# Altium PCB SONDE_2.PcbDoc (part 1 of 10) (continued)
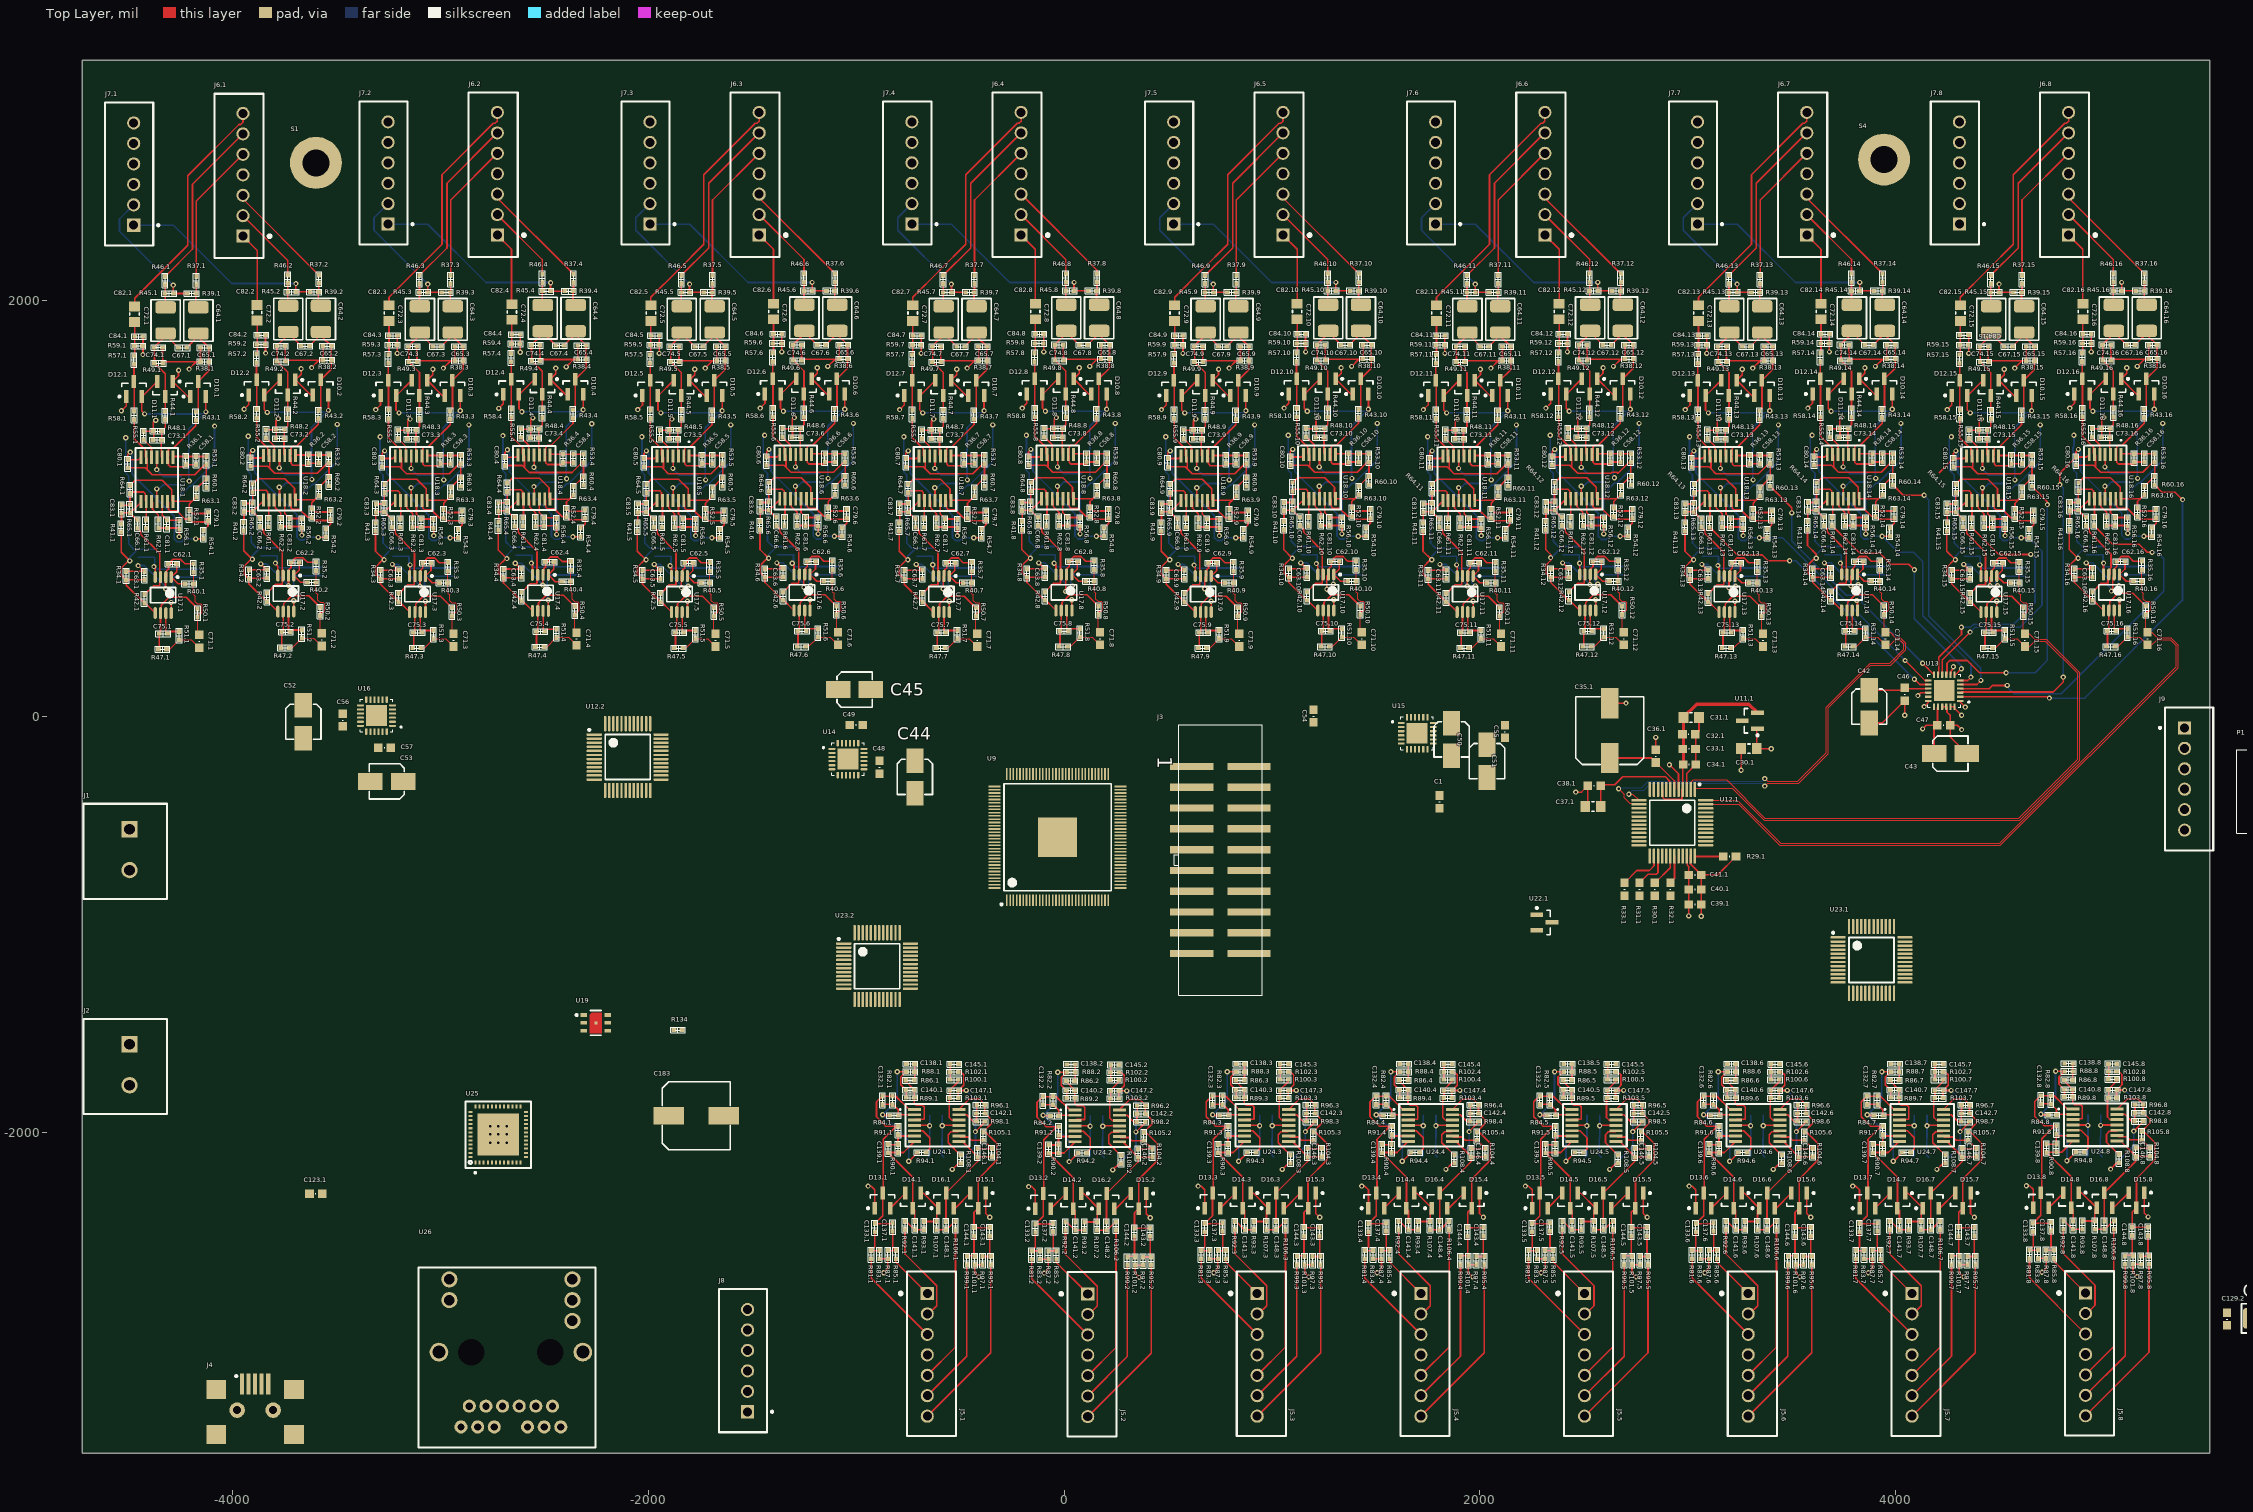
[diagram p0: Top Layer view]
## Design rules (kind name [scope] priority, off if disabled: settings) (continued)
RoomDefinition U_InputsConnectors4 [InComponentClass('U_InputsConnectors4')] p41: confinementstyle=ConfineIn formatcopy=TRUE lockcomponents=FALSE outline -17970.9,-7880.97 -15970.9,-7880.97 -15970.9,-6880.97 -17970.9,-6880.97
RoomDefinition U_InputsConnectors3 [InComponentClass('U_InputsConnectors3')] p42: confinementstyle=ConfineIn formatcopy=TRUE lockcomponents=FALSE outline -17970.9,-7880.97 -15970.9,-7880.97 -15970.9,-6880.97 -17970.9,-6880.97
RoomDefinition U_InputsConnectors2 [InComponentClass('U_InputsConnectors2')] p43: confinementstyle=ConfineIn formatcopy=TRUE lockcomponents=FALSE outline -17970.9,-7880.97 -15970.9,-7880.97 -15970.9,-6880.97 -17970.9,-6880.97
RoomDefinition U_InputsConnectors1 [InComponentClass('U_InputsConnectors1')] p44: confinementstyle=ConfineIn formatcopy=TRUE lockcomponents=FALSE outline -17970.9,-7880.97 -15970.9,-7880.97 -15970.9,-6880.97 -17970.9,-6880.97
RoomDefinition Power1 [InComponentClass('Power1')] p45: confinementstyle=ConfineIn formatcopy=TRUE lockcomponents=FALSE outline -5636.28,-7336.62 6779.72,-7336.62 6779.72,-6496.62 -5636.28,-6496.62
RoutingVias [All] p1: holewidth=12 width=25 viastyle="Through Hole" minholewidth=12 minwidth=25 maxholewidth=12 maxwidth=25
SolderMaskExpansion [All] p1: expansion=4
Width [All] p1: maxlimit=15.75 minlimit=8 preferedwidth=8 minimp=50.000000 maximp=50.000000 favimp=50.000000
27 further rules are at their usual default settings.

## Classes and differential pairs
component class "Components Class 1": C58.1 C59.1 C60.1 C61.1 C62.1 C63.1 C64.1 C65.1 C66.1 C67.1 C68.1 C69.1 C70.1 C71.1 C72.1 C73.1 C74.1 C75.1 C76.1 C77.1 C78.1 C79.1 C80.1 C81.1 C82.1 C83.1 C84.1 D10.1 D11.1 D12.1 R34.1 R35.1 R36.1 R37.1 R38.1 R39.1 R40.1 R41.1 R42.1 R43.1 R44.1 R45.1 R46.1 R47.1 R48.1 R49.1 R50.1 R51.1 R52.1 R53.1 R54.1 R55.1 R56.1 R57.1 R58.1 R59.1 R60.1 R61.1 R62.1 R63.1 R64.1 R65.1 U17.1 U18.1
component class U_InputAmplifier2: C58.2 C59.2 C60.2 C61.2 C62.2 C63.2 C64.2 C65.2 C66.2 C67.2 C68.2 C69.2 C70.2 C71.2 C72.2 C73.2 C74.2 C75.2 C76.2 C77.2 C78.2 C79.2 C80.2 C81.2 C82.2 C83.2 C84.2 D10.2 D11.2 D12.2 R34.2 R35.2 R36.2 R37.2 R38.2 R39.2 R40.2 R41.2 R42.2 R43.2 R44.2 R45.2 R46.2 R47.2 R48.2 R49.2 R50.2 R51.2 R52.2 R53.2 R54.2 R55.2 R56.2 R57.2 R58.2 R59.2 R60.2 R61.2 R62.2 R63.2 R64.2 R65.2 U17.2 U18.2
component class ADC1: C30.1 C31.1 C32.1 C33.1 C34.1 C35.1 C36.1 C37.1 C38.1 C39.1 C40.1 C41.1 R29.1 R30.1 R31.1 R32.1 R33.1 U11.1 U12.1
component class ADC2: C30.2 C31.2 C32.2 C33.2 C34.2 C35.2 C36.2 C37.2 C38.2 C39.2 C40.2 C41.2 R29.2 R30.2 R31.2 R32.2 R33.2 U11.2 U12.2
component class "AUDIO INPUTS": C42 C43 C44 C45 C46 C47 C48 C49 C50 C51 C52 C53 C54 C55 C56 C57 U13 U14 U15 U16
component class CLOCK: C1 C2 R1 R2 R3 U1 U2
component class DAC1: C121.1 C122.1 C123.1 C124.1 C125.1 C126.1 C127.1 C128.1 C129.1 C130.1 C131.1 R77.1 R78.1 R79.1 R80.1 U22.1 U23.1
component class DAC2: C121.2 C122.2 C123.2 C124.2 C125.2 C126.2 C127.2 C128.2 C129.2 C130.2 C131.2 R77.2 R78.2 R79.2 R80.2 U22.2 U23.2
component class LEDs_I2C_PORT: D19 D20 D21 D22 D23 D24 P1 Q2 Q3 Q4 R135 R136 R137 R138 R139 R140
component class PHY_ETHERNET: C149 C150 C151 C152 C153 C154 C155 C156 C157 C158 C159 C160 C161 C162 C163 C164 C165 C166 C167 C168 C169 C170 C171 C172 C173 C174 C175 D17 D18 L7 L8 L9 Q1 R109 R110 R111 R112 R113 R114 R115 R116 R117 R118 R119 R120 R121 R122 R123 R124 R125 R126 R127 R128 U25 U26 U27
component class Power1: C3 C4 C5 C6 C7 C8 C9 C10 C11 C12 C13 C14 C15 C16 C17 C18 C20 C21 C22 C25 C27 C28 C? D1 D2 D3 D4 D5 D6 D7 J1 J2 L1 L2 R4 R5 R6 R7 R8 R9 R10 R11 R12 R13 R14 R15 R16 R17 U3 U4 U5 U7 U8
component class TopLevel: FID1 FID2 FID3 FID4 FID5 FID6 R18 R19 S1 S2 S3 S4 TP1 TP2 TP3 TP4 TP5 TP6 TP7 TP8 TP9 TP10 TP11 TP12 TP13 TP14 TP15 TP16 TP17
component class U_InputAmplifier1: C58.1 C58.22 C59.1 C59.22 C59C58. C60.1 C60.22 C60C58. C61.1 C61.22 C61C58. C62.1 C62.22 C62C58. C63.1 C63.22 C63C58. C64.1 C64.22 C64C58. C65.1 C65.22 C65C58. C66.1 C66.22 C66C58. C67.1 C67.22 C67C58. C68.1 C68.22 C68C58. C69.1 C69.22 C69C58. C70.1 C70.22 C70C58. C71.1 C71.22 C71C58. C72.1 C72.22 C72C58. C73.1 C73.22 C73C58. C74.1 C74.22 C74C58. C75.1 C75.22 C75C58. C76.1 C76.22 C77.1 C77.22 C77C58. C78.1 C78.22 C78C58. C79.1 C80.1 C80.22 C80C58. C81.1 C81.22 C81C58. C82.1 C82C58. C83.1 C83C58. C84.1 C84C58. D10.1 D10.22 D10C58. D11.1 D11.22 D11C58. D12.1 D12.22 D12C58. R34.1 R34.22 R34C58. R35.1 R35.22 R35C58. R36.1 R36.22 R36C58. R37.1 R37.22 R37C58. R38.1 R38.22 R38C58. R39.1 R39.22 R39C58. R40.1 R40.22 R40C58. R41.1 R41.22 R42.1 R42.22 R42C58. R43.1 R43.22 R43C58. R44.1 R44.22 R44C58. R45.1 R45.22 R45C58. R46.1 R46.22 R46C58. R47.1 R47.22 R47C58. R48.1 R48.22 R48C58. R49.1 R49.22 R49C58. R50.1 R50.22 R50C58. R51.1 R51.22 R51C58. R52.1 R52.22 R52C58. R53.1 R53.22 R53C58. R54.1 R54.22 R54C58. R55.1 R55.22 R55C58. R56.1 R56.22 R56C58. R57.1 R57.22 R57C58. R58.1 R58.22 R58C58. R59.1 R59.22 R59C58. R60.1 R60.22 R60C58. R61.1 R61.22 R61C58. R62.1 R62.22 R62C58. R63.1 R63.22 R63C58. R64.1 R64.22 R64C58. R65.1 R65.22 R65C58. U17.1 U17.22 U17C58. U18.1 U18C58.
component class U_InputAmplifier3: C58.3 C59.3 C60.3 C61.3 C62.3 C63.3 C64.3 C65.3 C66.3 C67.3 C68.3 C69.3 C70.3 C71.3 C72.3 C73.3 C74.3 C75.3 C76.3 C77.3 C78.3 C79.3 C80.3 C81.3 C82.3 C83.3 C84.3 D10.3 D11.3 D12.3 R34.3 R35.3 R36.3 R37.3 R38.3 R39.3 R40.3 R41.3 R42.3 R43.3 R44.3 R45.3 R46.3 R47.3 R48.3 R49.3 R50.3 R51.3 R52.3 R53.3 R54.3 R55.3 R56.3 R57.3 R58.3 R59.3 R60.3 R61.3 R62.3 R63.3 R64.3 R65.3 U17.3 U18.3
component class U_InputAmplifier4: C58.4 C58U18.6 C59.4 C59U18.6 C60.4 C60U18.6 C61.4 C61U18.6 C62.4 C62U18.6 C63.4 C63U18.6 C64.4 C64U18.6 C65.4 C65U18.6 C66.4 C66U18.6 C67.4 C67U18.6 C68.4 C68U18.6 C69.4 C69U18.6 C70.4 C70U18.6 C71.4 C71U18.6 C72.4 C72U18.6 C73.4 C73U18.6 C74.4 C74U18.6 C75.4 C75U18.6 C76.4 C76U18.6 C77.4 C77U18.6 C78.4 C78U18.6 C79.4 C80.4 C80U18.6 C81.4 C81U18.6 C82.4 C82U18.6 C83.4 C83U18.6 C84.4 C84U18.6 D10.4 D10U18.6 D11.4 D11U18.6 D12.4 D12U18.6 R34.4 R34U18.6 R35.4 R35U18.6 R36.4 R36U18.6 R37.4 R37U18.6 R38.4 R38U18.6 R39.4 R39U18.6 R40.4 R40U18.6 R41.4 R41U18.6 R42.4 R42U18.6 R43.4 R43U18.6 R44.4 R44U18.6 R45.4 R45U18.6 R46.4 R46U18.6 R47.4 R47U18.6 R48.4 R48U18.6 R49.4 R49U18.6 R50.4 R50U18.6 R51.4 R51U18.6 R52.4 R52U18.6 R53.4 R53U18.6 R54.4 R54U18.6 R55.4 R55U18.6 R56.4 R56U18.6 R57.4 R57U18.6 R58.4 R58U18.6 R59.4 R59U18.6 R60.4 R60U18.6 R61.4 R61U18.6 R62.4 R62U18.6 R63.4 R63U18.6 R64.4 R64U18.6 R65.4 R65U18.6 U17.4 U17U18.6 U18.4 U18U18.6
component class U_InputAmplifier5: C58.5 C59.5 C60.5 C61.5 C62.5 C63.5 C64.5 C65.5 C66.5 C67.5 C68.5 C69.5 C70.5 C71.5 C72.5 C73.5 C74.5 C75.5 C76.5 C77.5 C78.5 C79.5 C80.5 C81.5 C82.5 C83.5 C84.5 D10.5 D11.5 D12.5 R34.5 R35.5 R36.5 R37.5 R38.5 R39.5 R40.5 R41.5 R42.5 R43.5 R44.5 R45.5 R46.5 R47.5 R48.5 R49.5 R50.5 R51.5 R52.5 R53.5 R54.5 R55.5 R56.5 R57.5 R58.5 R59.5 R60.5 R61.5 R62.5 R63.5 R64.5 R65.5 U17.5 U18.5
component class U_InputAmplifier6: C58.6 C59.6 C60.6 C61.6 C62.6 C63.6 C64.6 C65.6 C66.6 C67.6 C68.6 C69.6 C70.6 C71.6 C72.6 C73.6 C74.6 C75.6 C76.6 C77.6 C78.6 C79.6 C80.6 C81.6 C82.6 C83.6 C84.6 D10.6 D11.6 D12.6 R34.6 R35.6 R36.6 R37.6 R38.6 R39.6 R40.6 R41.6 R42.6 R43.6 R44.6 R45.6 R46.6 R47.6 R48.6 R49.6 R50.6 R51.6 R52.6 R53.6 R54.6 R55.6 R56.6 R57.6 R58.6 R59.6 R60.6 R61.6 R62.6 R63.6 R64.6 R65.6 U17.6 U18.6
component class U_InputAmplifier7: C58.7 C59.7 C60.7 C61.7 C62.7 C63.7 C64.7 C65.7 C66.7 C67.7 C68.7 C69.7 C70.7 C71.7 C72.7 C73.7 C74.7 C75.7 C76.7 C77.7 C78.7 C79.7 C80.7 C81.7 C82.7 C83.7 C84.7 D10.7 D11.7 D12.7 R34.7 R35.7 R36.7 R37.7 R38.7 R39.7 R40.7 R41.7 R42.7 R43.7 R44.7 R45.7 R46.7 R47.7 R48.7 R49.7 R50.7 R51.7 R52.7 R53.7 R54.7 R55.7 R56.7 R57.7 R58.7 R59.7 R60.7 R61.7 R62.7 R63.7 R64.7 R65.7 U17.7 U18.7
component class U_InputAmplifier8: C58.8 C59.8 C60.8 C61.8 C62.8 C63.8 C64.8 C65.8 C66.8 C67.8 C68.8 C69.8 C70.8 C71.8 C72.8 C73.8 C74.8 C75.8 C76.8 C77.8 C78.8 C79.8 C80.8 C81.8 C82.8 C83.8 C84.8 D10.8 D11.8 D12.8 R34.8 R35.8 R36.8 R37.8 R38.8 R39.8 R40.8 R41.8 R42.8 R43.8 R44.8 R45.8 R46.8 R47.8 R48.8 R49.8 R50.8 R51.8 R52.8 R53.8 R54.8 R55.8 R56.8 R57.8 R58.8 R59.8 R60.8 R61.8 R62.8 R63.8 R64.8 R65.8 U17.8 U18.8
component class U_InputAmplifier9: C58.9 C59.9 C60.9 C61.9 C62.9 C63.9 C64.9 C65.9 C66.9 C67.9 C68.9 C69.9 C70.9 C71.9 C72.9 C73.9 C74.9 C75.9 C76.9 C77.9 C78.9 C79.9 C80.9 C81.9 C82.9 C83.9 C84.9 D10.9 D11.9 D12.9 R34.9 R35.9 R36.9 R37.9 R38.9 R39.9 R40.9 R41.9 R42.9 R43.9 R44.9 R45.9 R46.9 R47.9 R48.9 R49.9 R50.9 R51.9 R52.9 R53.9 R54.9 R55.9 R56.9 R57.9 R58.9 R59.9 R60.9 R61.9 R62.9 R63.9 R64.9 R65.9 U17.9 U18.9
component class U_InputAmplifier10: C58.10 C59.10 C60.10 C61.10 C62.10 C63.10 C64.10 C65.10 C66.10 C67.10 C68.10 C69.10 C70.10 C71.10 C72.10 C73.10 C74.10 C75.10 C76.10 C77.10 C78.10 C79.10 C80.10 C81.10 C82.10 C83.10 C84.10 D10.10 D11.10 D12.10 R34.10 R35.10 R36.10 R37.10 R38.10 R39.10 R40.10 R41.10 R42.10 R43.10 R44.10 R45.10 R46.10 R47.10 R48.10 R49.10 R50.10 R51.10 R52.10 R53.10 R54.10 R55.10 R56.10 R57.10 R58.10 R59.10 R60.10 R61.10 R62.10 R63.10 R64.10 R65.10 U17.10 U18.10
component class U_InputAmplifier11: C58.11 C59.11 C60.11 C61.11 C62.11 C63.11 C64.11 C65.11 C66.11 C67.11 C68.11 C69.11 C70.11 C71.11 C72.11 C73.11 C74.11 C75.11 C76.11 C77.11 C78.11 C79.11 C80.11 C81.11 C82.11 C83.11 C84.11 D10.11 D11.11 D12.11 R34.11 R35.11 R36.11 R37.11 R38.11 R39.11 R40.11 R41.11 R42.11 R43.11 R44.11 R45.11 R46.11 R47.11 R48.11 R49.11 R50.11 R51.11 R52.11 R53.11 R54.11 R55.11 R56.11 R57.11 R58.11 R59.11 R60.11 R61.11 R62.11 R63.11 R64.11 R65.11 U17.11 U18.11
component class U_InputAmplifier12: C58.12 C59.12 C60.12 C61.12 C62.12 C63.12 C64.12 C65.12 C66.12 C67.12 C68.12 C69.12 C70.12 C71.12 C72.12 C73.12 C74.12 C75.12 C76.12 C77.12 C78.12 C79.12 C80.12 C81.12 C82.12 C83.12 C84.12 D10.12 D11.12 D12.12 R34.12 R35.12 R36.12 R37.12 R38.12 R39.12 R40.12 R41.12 R42.12 R43.12 R44.12 R45.12 R46.12 R47.12 R48.12 R49.12 R50.12 R51.12 R52.12 R53.12 R54.12 R55.12 R56.12 R57.12 R58.12 R59.12 R60.12 R61.12 R62.12 R63.12 R64.12 R65.12 U17.12 U18.12
component class U_InputAmplifier13: C58.13 C59.13 C60.13 C61.13 C62.13 C63.13 C64.13 C65.13 C66.13 C67.13 C68.13 C69.13 C70.13 C71.13 C72.13 C73.13 C74.13 C75.13 C76.13 C77.13 C78.13 C79.13 C80.13 C81.13 C82.13 C83.13 C84.13 D10.13 D11.13 D12.13 R34.13 R35.13 R36.13 R37.13 R38.13 R39.13 R40.13 R41.13 R42.13 R43.13 R44.13 R45.13 R46.13 R47.13 R48.13 R49.13 R50.13 R51.13 R52.13 R53.13 R54.13 R55.13 R56.13 R57.13 R58.13 R59.13 R60.13 R61.13 R62.13 R63.13 R64.13 R65.13 U17.13 U18.13
component class U_InputAmplifier14: C58.14 C59.14 C60.14 C61.14 C62.14 C63.14 C64.14 C65.14 C66.14 C67.14 C68.14 C69.14 C70.14 C71.14 C72.14 C73.14 C74.14 C75.14 C76.14 C77.14 C78.14 C79.14 C80.14 C81.14 C82.14 C83.14 C84.14 D10.14 D11.14 D12.14 R34.14 R35.14 R36.14 R37.14 R38.14 R39.14 R40.14 R41.14 R42.14 R43.14 R44.14 R45.14 R46.14 R47.14 R48.14 R49.14 R50.14 R51.14 R52.14 R53.14 R54.14 R55.14 R56.14 R57.14 R58.14 R59.14 R60.14 R61.14 R62.14 R63.14 R64.14 R65.14 U17.14 U18.14
component class U_InputAmplifier15: C58.15 C59.15 C60.15 C61.15 C62.15 C63.15 C64.15 C65.15 C66.15 C67.15 C68.15 C69.15 C70.15 C71.15 C72.15 C73.15 C74.15 C75.15 C76.15 C77.15 C78.15 C79.15 C80.15 C81.15 C82.15 C83.15 C84.15 D10.15 D11.15 D12.15 R34.15 R35.15 R36.15 R37.15 R38.15 R39.15 R40.15 R41.15 R42.15 R43.15 R44.15 R45.15 R46.15 R47.15 R48.15 R49.15 R50.15 R51.15 R52.15 R53.15 R54.15 R55.15 R56.15 R57.15 R58.15 R59.15 R60.15 R61.15 R62.15 R63.15 R64.15 R65.15 U17.15 U18.15
component class U_InputAmplifier16: C58.16 C59.16 C60.16 C61.16 C62.16 C63.16 C64.16 C65.16 C66.16 C67.16 C68.16 C69.16 C70.16 C71.16 C72.16 C73.16 C74.16 C75.16 C76.16 C77.16 C78.16 C79.16 C80.16 C81.16 C82.16 C83.16 C84.16 D10.16 D11.16 D12.16 R34.16 R35.16 R36.16 R37.16 R38.16 R39.16 R40.16 R41.16 R42.16 R43.16 R44.16 R45.16 R46.16 R47.16 R48.16 R49.16 R50.16 R51.16 R52.16 R53.16 R54.16 R55.16 R56.16 R57.16 R58.16 R59.16 R60.16 R61.16 R62.16 R63.16 R64.16 R65.16 U17.16 U18.16
component class U_InputsConnectors1: J6.1 J7.1
component class U_InputsConnectors2: J6.2 J7.2
component class U_InputsConnectors3: J6.3 J7.3
component class U_InputsConnectors4: J6.4 J7.4
component class U_InputsConnectors5: J6.5 J7.5
component class U_InputsConnectors6: J6.6 J7.6
component class U_InputsConnectors7: J6.7 J7.7
component class U_InputsConnectors8: J6.8 J7.8
component class U_OutputConnectors1: C132.1 C133.1 C134.1 C135.1 C136.1 C137.1 C138.1 C139.1 C140.1 C141.1 C142.1 C143.1 C144.1 C145.1 C146.1 C147.1 C148.1 D13.1 D14.1 D15.1 D16.1 J5.1 R81.1 R82.1 R83.1 R84.1 R85.1 R86.1 R87.1 R88.1 R89.1 R90.1 R91.1 R92.1 R93.1 R94.1 R95.1 R96.1 R97.1 R98.1 R99.1 R100.1 R101.1 R102.1 R103.1 R104.1 R105.1 R106.1 R107.1 R108.1 U24.1
component class U_OutputConnectors2: C132.2 C133.2 C134.2 C135.2 C136.2 C137.2 C138.2 C139.2 C140.2 C141.2 C142.2 C143.2 C144.2 C145.2 C146.2 C147.2 C148.2 D13.2 D14.2 D15.2 D16.2 J5.2 R81.2 R82.2 R83.2 R84.2 R85.2 R86.2 R87.2 R88.2 R89.2 R90.2 R91.2 R92.2 R93.2 R94.2 R95.2 R96.2 R97.2 R98.2 R99.2 R100.2 R101.2 R102.2 R103.2 R104.2 R105.2 R106.2 R107.2 R108.2 U24.2
component class U_OutputConnectors3: C132.3 C133.3 C134.3 C135.3 C136.3 C137.3 C138.3 C139.3 C140.3 C141.3 C142.3 C143.3 C144.3 C145.3 C146.3 C147.3 C148.3 D13.3 D14.3 D15.3 D16.3 J5.3 R81.3 R82.3 R83.3 R84.3 R85.3 R86.3 R87.3 R88.3 R89.3 R90.3 R91.3 R92.3 R93.3 R94.3 R95.3 R96.3 R97.3 R98.3 R99.3 R100.3 R101.3 R102.3 R103.3 R104.3 R105.3 R106.3 R107.3 R108.3 U24.3
component class U_OutputConnectors4: C132.4 C133.4 C134.4 C135.4 C136.4 C137.4 C138.4 C139.4 C140.4 C141.4 C142.4 C143.4 C144.4 C145.4 C146.4 C147.4 C148.4 D13.4 D14.4 D15.4 D16.4 J5.4 R81.4 R82.4 R83.4 R84.4 R85.4 R86.4 R87.4 R88.4 R89.4 R90.4 R91.4 R92.4 R93.4 R94.4 R95.4 R96.4 R97.4 R98.4 R99.4 R100.4 R101.4 R102.4 R103.4 R104.4 R105.4 R106.4 R107.4 R108.4 U24.4
component class U_OutputConnectors5: C132.5 C133.5 C134.5 C135.5 C136.5 C137.5 C138.5 C139.5 C140.5 C141.5 C142.5 C143.5 C144.5 C145.5 C146.5 C147.5 C148.5 D13.5 D14.5 D15.5 D16.5 J5.5 R81.5 R82.5 R83.5 R84.5 R85.5 R86.5 R87.5 R88.5 R89.5 R90.5 R91.5 R92.5 R93.5 R94.5 R95.5 R96.5 R97.5 R98.5 R99.5 R100.5 R101.5 R102.5 R103.5 R104.5 R105.5 R106.5 R107.5 R108.5 U24.5
component class U_OutputConnectors6: C132.6 C133.6 C134.6 C135.6 C136.6 C137.6 C138.6 C139.6 C140.6 C141.6 C142.6 C143.6 C144.6 C145.6 C146.6 C147.6 C148.6 D13.6 D14.6 D15.6 D16.6 J5.6 R81.6 R82.6 R83.6 R84.6 R85.6 R86.6 R87.6 R88.6 R89.6 R90.6 R91.6 R92.6 R93.6 R94.6 R95.6 R96.6 R97.6 R98.6 R99.6 R100.6 R101.6 R102.6 R103.6 R104.6 R105.6 R106.6 R107.6 R108.6 U24.6
component class U_OutputConnectors7: C132.7 C133.7 C134.7 C135.7 C136.7 C137.7 C138.7 C139.7 C140.7 C141.7 C142.7 C143.7 C144.7 C145.7 C146.7 C147.7 C148.7 D13.7 D14.7 D15.7 D16.7 J5.7 R81.7 R82.7 R83.7 R84.7 R85.7 R86.7 R87.7 R88.7 R89.7 R90.7 R91.7 R92.7 R93.7 R94.7 R95.7 R96.7 R97.7 R98.7 R99.7 R100.7 R101.7 R102.7 R103.7 R104.7 R105.7 R106.7 R107.7 R108.7 U24.7
component class U_OutputConnectors8: C132.8 C133.8 C134.8 C135.8 C136.8 C137.8 C138.8 C139.8 C140.8 C141.8 C142.8 C143.8 C144.8 C145.8 C146.8 C147.8 C148.8 D13.8 D14.8 D15.8 D16.8 J5.8 R81.8 R82.8 R83.8 R84.8 R85.8 R86.8 R87.8 R88.8 R89.8 R90.8 R91.8 R92.8 R93.8 R94.8 R95.8 R96.8 R97.8 R98.8 R99.8 R100.8 R101.8 R102.8 R103.8 R104.8 R105.8 R106.8 R107.8 R108.8 U24.8
component class U_StereoHeadphoneDriver: C176 C177 C178 C179 C180 C181 C182 C183 C184 C185 J8 J9 L10 R129 R130 R131 R132 R133 R134 U28
component class XMOS1: C29 D8 D9 J3 J4 L3 R20 R21 R22 R23 R24 R25 R26 R27 R28 TP18 U9 U10
component class XMOS_power: C85 C86 C87 C88 C89 C90 C91 C92 C93 C94 C95 C96 C97 C98 C99 C100 C101 C102 C103 C104 C105 C106 C107 C108 C109 C110 C111 C112 C113 C114 C115 C116 C117 C118 C119 C120 L4 L5 L6 R66 R67 R68 R69 R70 R71 R72 R73 R74 R75 R76 SW1 SW2 U19 U20 U21
channel class ADC: ADC1 ADC2
channel class DAC: DAC1 DAC2
channel class InputAmplifier: U_InputAmplifier1 U_InputAmplifier2 U_InputAmplifier3 U_InputAmplifier4 U_InputAmplifier5 U_InputAmplifier6 U_InputAmplifier7 U_InputAmplifier8 U_InputAmplifier9 U_InputAmplifier10 U_InputAmplifier11 U_InputAmplifier12 U_InputAmplifier13 U_InputAmplifier14 U_InputAmplifier15 U_InputAmplifier16
channel class InputsConnectors: U_InputsConnectors1 U_InputsConnectors2 U_InputsConnectors3 U_InputsConnectors4 U_InputsConnectors5 U_InputsConnectors6 U_InputsConnectors7 U_InputsConnectors8
channel class OutputConnectors: U_OutputConnectors1 U_OutputConnectors2 U_OutputConnectors3 U_OutputConnectors4 U_OutputConnectors5 U_OutputConnectors6 U_OutputConnectors7 U_OutputConnectors8
differential pair IN16: +IN16_P -IN16_N
differential pair IN1: +IN1_P -IN1_N
differential pair IN2: +IN2_P -IN2_N
differential pair IN3: +IN3_P -IN3_N
differential pair IN4: +IN4_P -IN4_N
differential pair IN5: +IN5_P -IN5_N
differential pair IN6: +IN6_P -IN6_N
differential pair IN7: +IN7_P -IN7_N
differential pair IN8: +IN8_P -IN8_N
differential pair IN9: +IN9_P -IN9_N
differential pair IN10: +IN10_P -IN10_N
differential pair IN11: +IN11_P -IN11_N
differential pair IN12: +IN12_P -IN12_N
differential pair IN13: +IN13_P -IN13_N
differential pair IN14: +IN14_P -IN14_N
differential pair IN15: +IN15_P -IN15_N
differential pair TRD_1: +TRD_1_P -TRD_1_N
differential pair TRD_2: +TRD_2_P -TRD_2_N
differential pair TRD_3: +TRD_3_P -TRD_3_N
differential pair TRD_4: +TRD_4_P -TRD_4_N
differential pair USB_DA: +USB_DA_P -USB_DA_N
differential pair USB_D: +USB_D_P -USB_D_N

## Components (designator, comment, footprint, x,y, rotation, side; value= is the part's Value field where it differs from the comment)
C1 "Capacitor" 0603 1805.4,-410 r90 top
C2 "Capacitor" 0603 6491.1,-1945.97 r0 top
C3 "Capacitor" 0603 4941.35,-6710 r0 top
C4 "Capacitor" 0603 4239.35,-6710 r0 top
C5 "Capacitor_Polarized" CAP_RAD_SMD_DIA157 3440.35,-6826 r90 top
C6 "Capacitor_Polarized" CAP_RAD_SMD_DIA157 3679.35,-6826 r90 top
C7 "Capacitor_Polarized" CAP_RAD_SMD_DIA315 -1183.93,-6180 r90 top
C8 "Capacitor_Polarized" CAP_RAD_SMD_DIA157 2962.35,-6826 r90 top
C9 "Capacitor_Polarized" CAP_RAD_SMD_DIA157 3201.35,-6826 r90 top
C10 "Capacitor" 0603 2036.35,-6741 r90 top
C11 "Capacitor" 0805 1877.35,-6717 r0 top
C12 "Capacitor" 0805 1657.35,-6717 r0 top
C13 "Capacitor" 0603 1395.35,-6741 r90 top
C14 "Capacitor" 0603 1175.35,-6741 r90 top
C15 "Capacitor_Polarized" CAP_RAD_SMD_DIA157 458.35,-6826 r90 top
C16 "Capacitor" 0805 -3.65,-6717 r0 top
C17 "Capacitor" 0603 175.35,-6741 r90 top
C18 "MAL215099101E3" CAP_ALU_1010_vishay -1540,-6150 r90 top
C20 "Capacitor" 0805 -2537.65,-6752 r0 top
C21 "Capacitor" CAP_1210 -2320.65,-6710 r0 top
C22 "Capacitor" 0603 -4198.65,-6741 r90 top
C25 "Capacitor" 0603 -5538.65,-6741 r90 top
C27 "Capacitor" 0603 6257.35,-3082 r90 top
C28 "Capacitor" 0603 6027.35,-3082 r90 top
C29 "Capacitor" 0603 7335.1,3155.03 r90 top
C30.1 "Capacitor" 0805 3294.01,-154.37 r0 top (schematic designator C30)
C30.2 "Capacitor" 0805 11117.1,4837.03 r90 top (schematic designator C30)
C31.1 "Capacitor" 0805 3016.42,-3.94 r0 top (schematic designator C31)
C31.2 "Capacitor" 0805 11457.1,4837.03 r90 top (schematic designator C31)
C32.1 "Capacitor" 0603 3004.9,-84.99 r0 top (schematic designator C32)
C32.2 "Capacitor" 0603 11780.1,4847.03 r90 top (schematic designator C32)
C33.1 "Capacitor" 0603 3006.39,-154.99 r0 top (schematic designator C33)
C33.2 "Capacitor" 0603 12119.1,4847.03 r90 top (schematic designator C33)
C34.1 "Capacitor" 0603 3007.73,-229.83 r0 top (schematic designator C34)
C34.2 "Capacitor" 0603 12459.1,4847.03 r90 top (schematic designator C34)
C35.1 "Capacitor_Polarized_1" CAP_RAD_SMD_DIA315 2624.71,-67 r90 top (schematic designator C35)
C35.2 "Capacitor_Polarized_1" CAP_RAD_SMD_DIA315 10819.1,4742.03 r0 top (schematic designator C35)
C36.1 "Capacitor" 0603 2845.96,-190 r90 top (schematic designator C36)
C36.2 "Capacitor" 0603 9839.1,4847.03 r90 top (schematic designator C36)
C37.1 "Capacitor" 0805 2543.91,-433 r180 top (schematic designator C37)
C37.2 "Capacitor" 0805 9166.1,4837.03 r90 top (schematic designator C37)
C38.1 "Capacitor" 0603 2550.05,-332.49 r180 top (schematic designator C38)
C38.2 "Capacitor" 0603 8819.1,4847.03 r90 top (schematic designator C38)
C39.1 "Capacitor" 0603 3034.73,-903.95 r180 top (schematic designator C39)
C39.2 "Capacitor" 0603 7130.1,4847.03 r90 top (schematic designator C39)
C40.1 "Capacitor" 0603 3034.73,-831.39 r180 top (schematic designator C40)
C40.2 "Capacitor" 0603 6790.1,4847.03 r90 top (schematic designator C40)
C41.1 "Capacitor" 0603 3034.73,-761.39 r180 top (schematic designator C41)
C41.2 "Capacitor" 0603 6460.1,4847.03 r90 top (schematic designator C41)
C42 "Capacitor_Polarized" CAP_RAD_SMD_DIA157 3873.34,48 r270 top
C43 "Capacitor_Polarized" CAP_RAD_SMD_DIA157 4263.32,-178.03 r0 top
C44 "Capacitor_Polarized" CAP_RAD_SMD_DIA157 -718.06,-290 r270 top
C45 "Capacitor_Polarized" CAP_RAD_SMD_DIA157 -1008.27,130 r0 top
C46 "Capacitor" 0603 4043.34,107.76 r270 top
C47 "Capacitor" 0603 4231.55,-41.57 r0 top
C48 "Capacitor" 0603 -888.08,-243.58 r270 top
C49 "Capacitor" 0603 -1000,-40 r0 top
C50 "Capacitor_Polarized" CAP_RAD_SMD_DIA157 1864,-109.53 r270 top
C51 "Capacitor_Polarized" CAP_RAD_SMD_DIA157 2034.24,-214.06 r270 top
C52 "Capacitor_Polarized" CAP_RAD_SMD_DIA157 -3660,-24.53 r270 top
C53 "Capacitor_Polarized" CAP_RAD_SMD_DIA157 -3258.79,-311.64 r180 top
C54 "Capacitor" 0603 1200,2.53 r90 top
C55 "Capacitor" 0603 2120,-71.97 r90 top
C56 "Capacitor" 0603 -3470,-16.36 r270 top
C57 "Capacitor" 0603 -3269.42,-150 r180 top
C58.1 "Capacitor" 0402 -4175.55,1231.72 r90 top (schematic designator C58)
C58.2 "Capacitor" 0402 -3585.88,1239.2 r90 top (schematic designator C58)
C58.3 "Capacitor" 0402 -2951.97,1236.86 r90 top (schematic designator C58)
C58.4 "Capacitor" 0402 -2360.94,1242.45 r90 top (schematic designator C58)
C58.5 "Capacitor" 0402 -1692.13,1236.86 r90 top (schematic designator C58)
C58.6 "Capacitor" 0402 -1102.46,1244.33 r90 top (schematic designator C58)
C58.7 "Capacitor" 0402 -432.29,1236.86 r90 top (schematic designator C58)
C58.8 "Capacitor" 0402 157.38,1244.33 r90 top (schematic designator C58)
C58.9 "Capacitor" 0402 827.56,1236.86 r90 top (schematic designator C58)
C58.10 "Capacitor" 0402 1417.23,1244.33 r90 top (schematic designator C58)
C58.11 "Capacitor" 0402 2087.4,1236.86 r90 top (schematic designator C58)
C58.12 "Capacitor" 0402 2677.07,1244.33 r90 top (schematic designator C58)
C58.13 "Capacitor" 0402 3347.24,1236.86 r90 top (schematic designator C58)
C58.14 "Capacitor" 0402 3936.91,1244.33 r90 top (schematic designator C58)
C58.15 "Capacitor" 0402 4607.08,1236.86 r90 top (schematic designator C58)
C58.16 "Capacitor" 0402 5196.75,1244.33 r90 top (schematic designator C58)
C59.1 "Capacitor" 0402 -4245.55,1134.72 r270 bottom (schematic designator C59)
C59.2 "Capacitor" 0402 -3655.88,1142.2 r270 bottom (schematic designator C59)
C59.3 "Capacitor" 0402 -3021.97,1139.86 r270 bottom (schematic designator C59)
C59.4 "Capacitor" 0402 -2430.94,1145.45 r270 bottom (schematic designator C59)
C59.5 "Capacitor" 0402 -1762.13,1139.86 r270 bottom (schematic designator C59)
C59.6 "Capacitor" 0402 -1172.46,1147.33 r270 bottom (schematic designator C59)
C59.7 "Capacitor" 0402 -502.29,1139.86 r270 bottom (schematic designator C59)
C59.8 "Capacitor" 0402 87.38,1147.33 r270 bottom (schematic designator C59)
C59.9 "Capacitor" 0402 757.56,1139.86 r270 bottom (schematic designator C59)
C59.10 "Capacitor" 0402 1347.23,1147.33 r270 bottom (schematic designator C59)
C59.11 "Capacitor" 0402 2017.4,1139.86 r270 bottom (schematic designator C59)
C59.12 "Capacitor" 0402 2607.07,1147.33 r270 bottom (schematic designator C59)
C59.13 "Capacitor" 0402 3277.24,1139.86 r270 bottom (schematic designator C59)
C59.14 "Capacitor" 0402 3866.91,1147.33 r270 bottom (schematic designator C59)
C59.15 "Capacitor" 0402 4537.08,1139.86 r270 bottom (schematic designator C59)
C59.16 "Capacitor" 0402 5126.75,1147.33 r270 bottom (schematic designator C59)
C60.1 "Capacitor" 0402 -4290.55,1135.72 r270 bottom (schematic designator C60)
C60.2 "Capacitor" 0402 -3700.88,1143.2 r270 bottom (schematic designator C60)
C60.3 "Capacitor" 0402 -3066.97,1140.86 r270 bottom (schematic designator C60)
C60.4 "Capacitor" 0402 -2475.94,1146.45 r270 bottom (schematic designator C60)
C60.5 "Capacitor" 0402 -1807.13,1140.86 r270 bottom (schematic designator C60)
C60.6 "Capacitor" 0402 -1217.46,1148.33 r270 bottom (schematic designator C60)
C60.7 "Capacitor" 0402 -547.29,1140.86 r270 bottom (schematic designator C60)
C60.8 "Capacitor" 0402 42.38,1148.33 r270 bottom (schematic designator C60)
C60.9 "Capacitor" 0402 712.56,1140.86 r270 bottom (schematic designator C60)
C60.10 "Capacitor" 0402 1302.23,1148.33 r270 bottom (schematic designator C60)
C60.11 "Capacitor" 0402 1972.4,1140.86 r270 bottom (schematic designator C60)
C60.12 "Capacitor" 0402 2562.07,1148.33 r270 bottom (schematic designator C60)
C60.13 "Capacitor" 0402 3232.24,1140.86 r270 bottom (schematic designator C60)
C60.14 "Capacitor" 0402 3821.91,1148.33 r270 bottom (schematic designator C60)
C60.15 "Capacitor" 0402 4492.08,1140.86 r270 bottom (schematic designator C60)
C60.16 "Capacitor" 0402 5081.75,1148.33 r270 bottom (schematic designator C60)
C61.1 "Capacitor" 0402 -4334.55,1135.72 r270 bottom (schematic designator C61)
C61.2 "Capacitor" 0402 -3744.88,1143.2 r270 bottom (schematic designator C61)
C61.3 "Capacitor" 0402 -3110.97,1140.86 r270 bottom (schematic designator C61)
C61.4 "Capacitor" 0402 -2519.94,1146.45 r270 bottom (schematic designator C61)
C61.5 "Capacitor" 0402 -1851.13,1140.86 r270 bottom (schematic designator C61)
C61.6 "Capacitor" 0402 -1261.46,1148.33 r270 bottom (schematic designator C61)
C61.7 "Capacitor" 0402 -591.29,1140.86 r270 bottom (schematic designator C61)
C61.8 "Capacitor" 0402 -1.62,1148.33 r270 bottom (schematic designator C61)
C61.9 "Capacitor" 0402 668.56,1140.86 r270 bottom (schematic designator C61)
C61.10 "Capacitor" 0402 1258.23,1148.33 r270 bottom (schematic designator C61)
C61.11 "Capacitor" 0402 1928.4,1140.86 r270 bottom (schematic designator C61)
C61.12 "Capacitor" 0402 2518.07,1148.33 r270 bottom (schematic designator C61)
C61.13 "Capacitor" 0402 3188.24,1140.86 r270 bottom (schematic designator C61)
C61.14 "Capacitor" 0402 3777.91,1148.33 r270 bottom (schematic designator C61)
C61.15 "Capacitor" 0402 4448.08,1140.86 r270 bottom (schematic designator C61)
C61.16 "Capacitor" 0402 5037.75,1148.33 r270 bottom (schematic designator C61)
C62.1 "Capacitor" 0402 -4289.03,733.72 r0 top (schematic designator C62)
C62.2 "Capacitor" 0402 -3699.35,741.2 r0 top (schematic designator C62)
C62.3 "Capacitor" 0402 -3065.44,738.86 r0 top (schematic designator C62)
C62.4 "Capacitor" 0402 -2474.41,744.45 r0 top (schematic designator C62)
C62.5 "Capacitor" 0402 -1805.6,738.86 r0 top (schematic designator C62)
C62.6 "Capacitor" 0402 -1215.93,746.33 r0 top (schematic designator C62)
C62.7 "Capacitor" 0402 -545.76,738.86 r0 top (schematic designator C62)
C62.8 "Capacitor" 0402 43.91,746.33 r0 top (schematic designator C62)
C62.9 "Capacitor" 0402 714.08,738.86 r0 top (schematic designator C62)
C62.10 "Capacitor" 0402 1303.76,746.33 r0 top (schematic designator C62)
C62.11 "Capacitor" 0402 1973.93,738.86 r0 top (schematic designator C62)
C62.12 "Capacitor" 0402 2563.6,746.33 r0 top (schematic designator C62)
C62.13 "Capacitor" 0402 3233.77,738.86 r0 top (schematic designator C62)
C62.14 "Capacitor" 0402 3823.44,746.33 r0 top (schematic designator C62)
C62.15 "Capacitor" 0402 4493.61,738.86 r0 top (schematic designator C62)
C62.16 "Capacitor" 0402 5083.28,746.33 r0 top (schematic designator C62)
C63.1 "Capacitor" 0402 -4424.55,679.4 r270 top (schematic designator C63)
C63.2 "Capacitor" 0402 -3834.88,686.88 r270 top (schematic designator C63)
C63.3 "Capacitor" 0402 -3200.97,684.54 r270 top (schematic designator C63)
C63.4 "Capacitor" 0402 -2609.94,690.13 r270 top (schematic designator C63)
C63.5 "Capacitor" 0402 -1941.13,684.54 r270 top (schematic designator C63)
C63.6 "Capacitor" 0402 -1351.46,692.02 r270 top (schematic designator C63)
C63.7 "Capacitor" 0402 -681.29,684.54 r270 top (schematic designator C63)
C63.8 "Capacitor" 0402 -91.62,692.02 r270 top (schematic designator C63)
C63.9 "Capacitor" 0402 578.56,684.54 r270 top (schematic designator C63)
C63.10 "Capacitor" 0402 1168.23,692.02 r270 top (schematic designator C63)
C63.11 "Capacitor" 0402 1838.4,684.54 r270 top (schematic designator C63)
C63.12 "Capacitor" 0402 2428.07,692.02 r270 top (schematic designator C63)
C63.13 "Capacitor" 0402 3098.24,684.54 r270 top (schematic designator C63)
C63.14 "Capacitor" 0402 3687.91,692.02 r270 top (schematic designator C63)
C63.15 "Capacitor" 0402 4358.08,684.54 r270 top (schematic designator C63)
C63.16 "Capacitor" 0402 4947.75,692.02 r270 top (schematic designator C63)
C64.1 "Capacitor" CAP_1210 -4164.84,1906.03 r270 top (schematic designator C64)
C64.2 "Capacitor" CAP_1210 -3575.17,1913.51 r270 top (schematic designator C64)
C64.3 "Capacitor" CAP_1210 -2941.26,1911.17 r270 top (schematic designator C64)
C64.4 "Capacitor" CAP_1210 -2350.23,1916.76 r270 top (schematic designator C64)
C64.5 "Capacitor" CAP_1210 -1681.42,1911.17 r270 top (schematic designator C64)
C64.6 "Capacitor" CAP_1210 -1091.75,1918.65 r270 top (schematic designator C64)
C64.7 "Capacitor" CAP_1210 -421.57,1911.17 r270 top (schematic designator C64)
C64.8 "Capacitor" CAP_1210 168.1,1918.65 r270 top (schematic designator C64)
C64.9 "Capacitor" CAP_1210 838.27,1911.17 r270 top (schematic designator C64)
C64.10 "Capacitor" CAP_1210 1427.94,1918.65 r270 top (schematic designator C64)
C64.11 "Capacitor" CAP_1210 2098.11,1911.17 r270 top (schematic designator C64)
C64.12 "Capacitor" CAP_1210 2687.78,1918.65 r270 top (schematic designator C64)
C64.13 "Capacitor" CAP_1210 3357.95,1911.17 r270 top (schematic designator C64)
C64.14 "Capacitor" CAP_1210 3947.62,1918.65 r270 top (schematic designator C64)
C64.15 "Capacitor" CAP_1210 4617.8,1911.17 r270 top (schematic designator C64)
C64.16 "Capacitor" CAP_1210 5207.47,1918.65 r270 top (schematic designator C64)
C65.1 "Capacitor" 0402 -4134.84,1775.04 r180 top (schematic designator C65)
C65.2 "Capacitor" 0402 -3545.17,1782.52 r180 top (schematic designator C65)
C65.3 "Capacitor" 0402 -2911.26,1780.18 r180 top (schematic designator C65)
C65.4 "Capacitor" 0402 -2320.23,1785.77 r180 top (schematic designator C65)
C65.5 "Capacitor" 0402 -1651.42,1780.18 r180 top (schematic designator C65)
C65.6 "Capacitor" 0402 -1061.75,1787.66 r180 top (schematic designator C65)
C65.7 "Capacitor" 0402 -391.57,1780.18 r180 top (schematic designator C65)
C65.8 "Capacitor" 0402 198.1,1787.66 r180 top (schematic designator C65)
C65.9 "Capacitor" 0402 868.27,1780.18 r180 top (schematic designator C65)
C65.10 "Capacitor" 0402 1457.94,1787.66 r180 top (schematic designator C65)
C65.11 "Capacitor" 0402 2128.11,1780.18 r180 top (schematic designator C65)
C65.12 "Capacitor" 0402 2717.78,1787.66 r180 top (schematic designator C65)
C65.13 "Capacitor" 0402 3387.95,1780.18 r180 top (schematic designator C65)
C65.14 "Capacitor" 0402 3977.62,1787.66 r180 top (schematic designator C65)
C65.15 "Capacitor" 0402 4647.8,1780.18 r180 top (schematic designator C65)
C65.16 "Capacitor" 0402 5237.47,1787.66 r180 top (schematic designator C65)
C66.1 "Capacitor" 0402 -4457.55,926.72 r270 top (schematic designator C66)
C66.2 "Capacitor" 0402 -3867.88,934.2 r270 top (schematic designator C66)
C66.3 "Capacitor" 0402 -3233.97,931.86 r270 top (schematic designator C66)
C66.4 "Capacitor" 0402 -2642.94,937.45 r270 top (schematic designator C66)
C66.5 "Capacitor" 0402 -1974.13,931.86 r270 top (schematic designator C66)
C66.6 "Capacitor" 0402 -1384.46,939.33 r270 top (schematic designator C66)
C66.7 "Capacitor" 0402 -714.29,931.86 r270 top (schematic designator C66)
C66.8 "Capacitor" 0402 -124.62,939.33 r270 top (schematic designator C66)
C66.9 "Capacitor" 0402 545.56,931.86 r270 top (schematic designator C66)
C66.10 "Capacitor" 0402 1135.23,939.33 r270 top (schematic designator C66)
C66.11 "Capacitor" 0402 1805.4,931.86 r270 top (schematic designator C66)
C66.12 "Capacitor" 0402 2395.07,939.33 r270 top (schematic designator C66)
C66.13 "Capacitor" 0402 3065.24,931.86 r270 top (schematic designator C66)
C66.14 "Capacitor" 0402 3654.91,939.33 r270 top (schematic designator C66)
C66.15 "Capacitor" 0402 4325.08,931.86 r270 top (schematic designator C66)
C66.16 "Capacitor" 0402 4914.75,939.33 r270 top (schematic designator C66)
C67.1 "Capacitor" 0402 -4240.44,1775.04 r180 top (schematic designator C67)
C67.2 "Capacitor" 0402 -3650.77,1782.52 r180 top (schematic designator C67)
C67.3 "Capacitor" 0402 -3016.86,1780.18 r180 top (schematic designator C67)
C67.4 "Capacitor" 0402 -2425.83,1785.77 r180 top (schematic designator C67)
C67.5 "Capacitor" 0402 -1757.02,1780.18 r180 top (schematic designator C67)
C67.6 "Capacitor" 0402 -1167.35,1787.66 r180 top (schematic designator C67)
C67.7 "Capacitor" 0402 -497.18,1780.18 r180 top (schematic designator C67)
C67.8 "Capacitor" 0402 92.5,1787.66 r180 top (schematic designator C67)
C67.9 "Capacitor" 0402 762.67,1780.18 r180 top (schematic designator C67)
C67.10 "Capacitor" 0402 1352.34,1787.66 r180 top (schematic designator C67)
C67.11 "Capacitor" 0402 2022.51,1780.18 r180 top (schematic designator C67)
C67.12 "Capacitor" 0402 2612.18,1787.66 r180 top (schematic designator C67)
C67.13 "Capacitor" 0402 3282.35,1780.18 r180 top (schematic designator C67)
C67.14 "Capacitor" 0402 3872.02,1787.66 r180 top (schematic designator C67)
C67.15 "Capacitor" 0402 4542.19,1780.18 r180 top (schematic designator C67)
C67.16 "Capacitor" 0402 5131.87,1787.66 r180 top (schematic designator C67)
C68.1 "Capacitor" 0402 -4229,689.91 r90 bottom (schematic designator C68)
C68.2 "Capacitor" 0402 -3639.33,697.39 r90 bottom (schematic designator C68)
C68.3 "Capacitor" 0402 -3005.42,695.05 r90 bottom (schematic designator C68)
C68.4 "Capacitor" 0402 -2414.39,700.64 r90 bottom (schematic designator C68)
C68.5 "Capacitor" 0402 -1745.58,695.05 r90 bottom (schematic designator C68)
C68.6 "Capacitor" 0402 -1155.9,702.53 r90 bottom (schematic designator C68)
C68.7 "Capacitor" 0402 -485.73,695.05 r90 bottom (schematic designator C68)
C68.8 "Capacitor" 0402 103.94,702.53 r90 bottom (schematic designator C68)
C68.9 "Capacitor" 0402 774.11,695.05 r90 bottom (schematic designator C68)
C68.10 "Capacitor" 0402 1363.78,702.53 r90 bottom (schematic designator C68)
C68.11 "Capacitor" 0402 2033.95,695.05 r90 bottom (schematic designator C68)
C68.12 "Capacitor" 0402 2623.62,702.53 r90 bottom (schematic designator C68)
C68.13 "Capacitor" 0402 3293.79,695.05 r90 bottom (schematic designator C68)
C68.14 "Capacitor" 0402 3883.47,702.53 r90 bottom (schematic designator C68)
C68.15 "Capacitor" 0402 4553.64,695.05 r90 bottom (schematic designator C68)
C68.16 "Capacitor" 0402 5143.31,702.53 r90 bottom (schematic designator C68)
C69.1 "Capacitor" 0402 -4154,689.91 r90 bottom (schematic designator C69)
C69.2 "Capacitor" 0402 -3564.33,697.39 r90 bottom (schematic designator C69)
C69.3 "Capacitor" 0402 -2930.42,695.05 r90 bottom (schematic designator C69)
C69.4 "Capacitor" 0402 -2339.39,700.64 r90 bottom (schematic designator C69)
C69.5 "Capacitor" 0402 -1670.58,695.05 r90 bottom (schematic designator C69)
C69.6 "Capacitor" 0402 -1080.9,702.53 r90 bottom (schematic designator C69)
C69.7 "Capacitor" 0402 -410.73,695.05 r90 bottom (schematic designator C69)
C69.8 "Capacitor" 0402 178.94,702.53 r90 bottom (schematic designator C69)
C69.9 "Capacitor" 0402 849.11,695.05 r90 bottom (schematic designator C69)
C69.10 "Capacitor" 0402 1438.78,702.53 r90 bottom (schematic designator C69)
C69.11 "Capacitor" 0402 2108.95,695.05 r90 bottom (schematic designator C69)
C69.12 "Capacitor" 0402 2698.62,702.53 r90 bottom (schematic designator C69)
C69.13 "Capacitor" 0402 3368.79,695.05 r90 bottom (schematic designator C69)
C69.14 "Capacitor" 0402 3958.47,702.53 r90 bottom (schematic designator C69)
C69.15 "Capacitor" 0402 4628.64,695.05 r90 bottom (schematic designator C69)
C69.16 "Capacitor" 0402 5218.31,702.53 r90 bottom (schematic designator C69)
C70.1 "Capacitor" 0402 -4301,688.97 r90 bottom (schematic designator C70)
C70.2 "Capacitor" 0402 -3711.33,696.45 r90 bottom (schematic designator C70)
C70.3 "Capacitor" 0402 -3077.42,694.11 r90 bottom (schematic designator C70)
C70.4 "Capacitor" 0402 -2486.39,699.7 r90 bottom (schematic designator C70)
C70.5 "Capacitor" 0402 -1817.58,694.11 r90 bottom (schematic designator C70)
C70.6 "Capacitor" 0402 -1227.9,701.59 r90 bottom (schematic designator C70)
C70.7 "Capacitor" 0402 -557.73,694.11 r90 bottom (schematic designator C70)
C70.8 "Capacitor" 0402 31.94,701.59 r90 bottom (schematic designator C70)
C70.9 "Capacitor" 0402 702.11,694.11 r90 bottom (schematic designator C70)
C70.10 "Capacitor" 0402 1291.78,701.59 r90 bottom (schematic designator C70)
C70.11 "Capacitor" 0402 1961.95,694.11 r90 bottom (schematic designator C70)
C70.12 "Capacitor" 0402 2551.62,701.59 r90 bottom (schematic designator C70)
C70.13 "Capacitor" 0402 3221.79,694.11 r90 bottom (schematic designator C70)
C70.14 "Capacitor" 0402 3811.47,701.59 r90 bottom (schematic designator C70)
C70.15 "Capacitor" 0402 4481.64,694.11 r90 bottom (schematic designator C70)
C70.16 "Capacitor" 0402 5071.31,701.59 r90 bottom (schematic designator C70)
C71.1 "Capacitor" 0603 -4161.03,362.72 r270 top (schematic designator C71)
C71.2 "Capacitor" 0603 -3571.35,370.2 r270 top (schematic designator C71)
C71.3 "Capacitor" 0603 -2937.44,367.86 r270 top (schematic designator C71)
C71.4 "Capacitor" 0603 -2346.41,373.45 r270 top (schematic designator C71)
C71.5 "Capacitor" 0603 -1677.6,367.86 r270 top (schematic designator C71)
C71.6 "Capacitor" 0603 -1087.93,375.33 r270 top (schematic designator C71)
C71.7 "Capacitor" 0603 -417.76,367.86 r270 top (schematic designator C71)
C71.8 "Capacitor" 0603 171.91,375.33 r270 top (schematic designator C71)
C71.9 "Capacitor" 0603 842.08,367.86 r270 top (schematic designator C71)
C71.10 "Capacitor" 0603 1431.76,375.33 r270 top (schematic designator C71)
C71.11 "Capacitor" 0603 2101.93,367.86 r270 top (schematic designator C71)
C71.12 "Capacitor" 0603 2691.6,375.33 r270 top (schematic designator C71)
C71.13 "Capacitor" 0603 3361.77,367.86 r270 top (schematic designator C71)
C71.14 "Capacitor" 0603 3951.44,375.33 r270 top (schematic designator C71)
C71.15 "Capacitor" 0603 4621.61,367.86 r270 top (schematic designator C71)
C71.16 "Capacitor" 0603 5211.28,375.33 r270 top (schematic designator C71)
C72.1 "Capacitor" CAP_1210 -4322.77,1906.03 r270 top (schematic designator C72)
C72.2 "Capacitor" CAP_1210 -3733.1,1913.51 r270 top (schematic designator C72)
C72.3 "Capacitor" CAP_1210 -3099.19,1911.17 r270 top (schematic designator C72)
C72.4 "Capacitor" CAP_1210 -2508.16,1916.76 r270 top (schematic designator C72)
C72.5 "Capacitor" CAP_1210 -1839.35,1911.17 r270 top (schematic designator C72)
C72.6 "Capacitor" CAP_1210 -1249.67,1918.65 r270 top (schematic designator C72)
C72.7 "Capacitor" CAP_1210 -579.5,1911.17 r270 top (schematic designator C72)
C72.8 "Capacitor" CAP_1210 10.17,1918.65 r270 top (schematic designator C72)
C72.9 "Capacitor" CAP_1210 680.34,1911.17 r270 top (schematic designator C72)
C72.10 "Capacitor" CAP_1210 1270.01,1918.65 r270 top (schematic designator C72)